# Altium PCB 400501.PcbDoc (part 3 of 4) (continued)
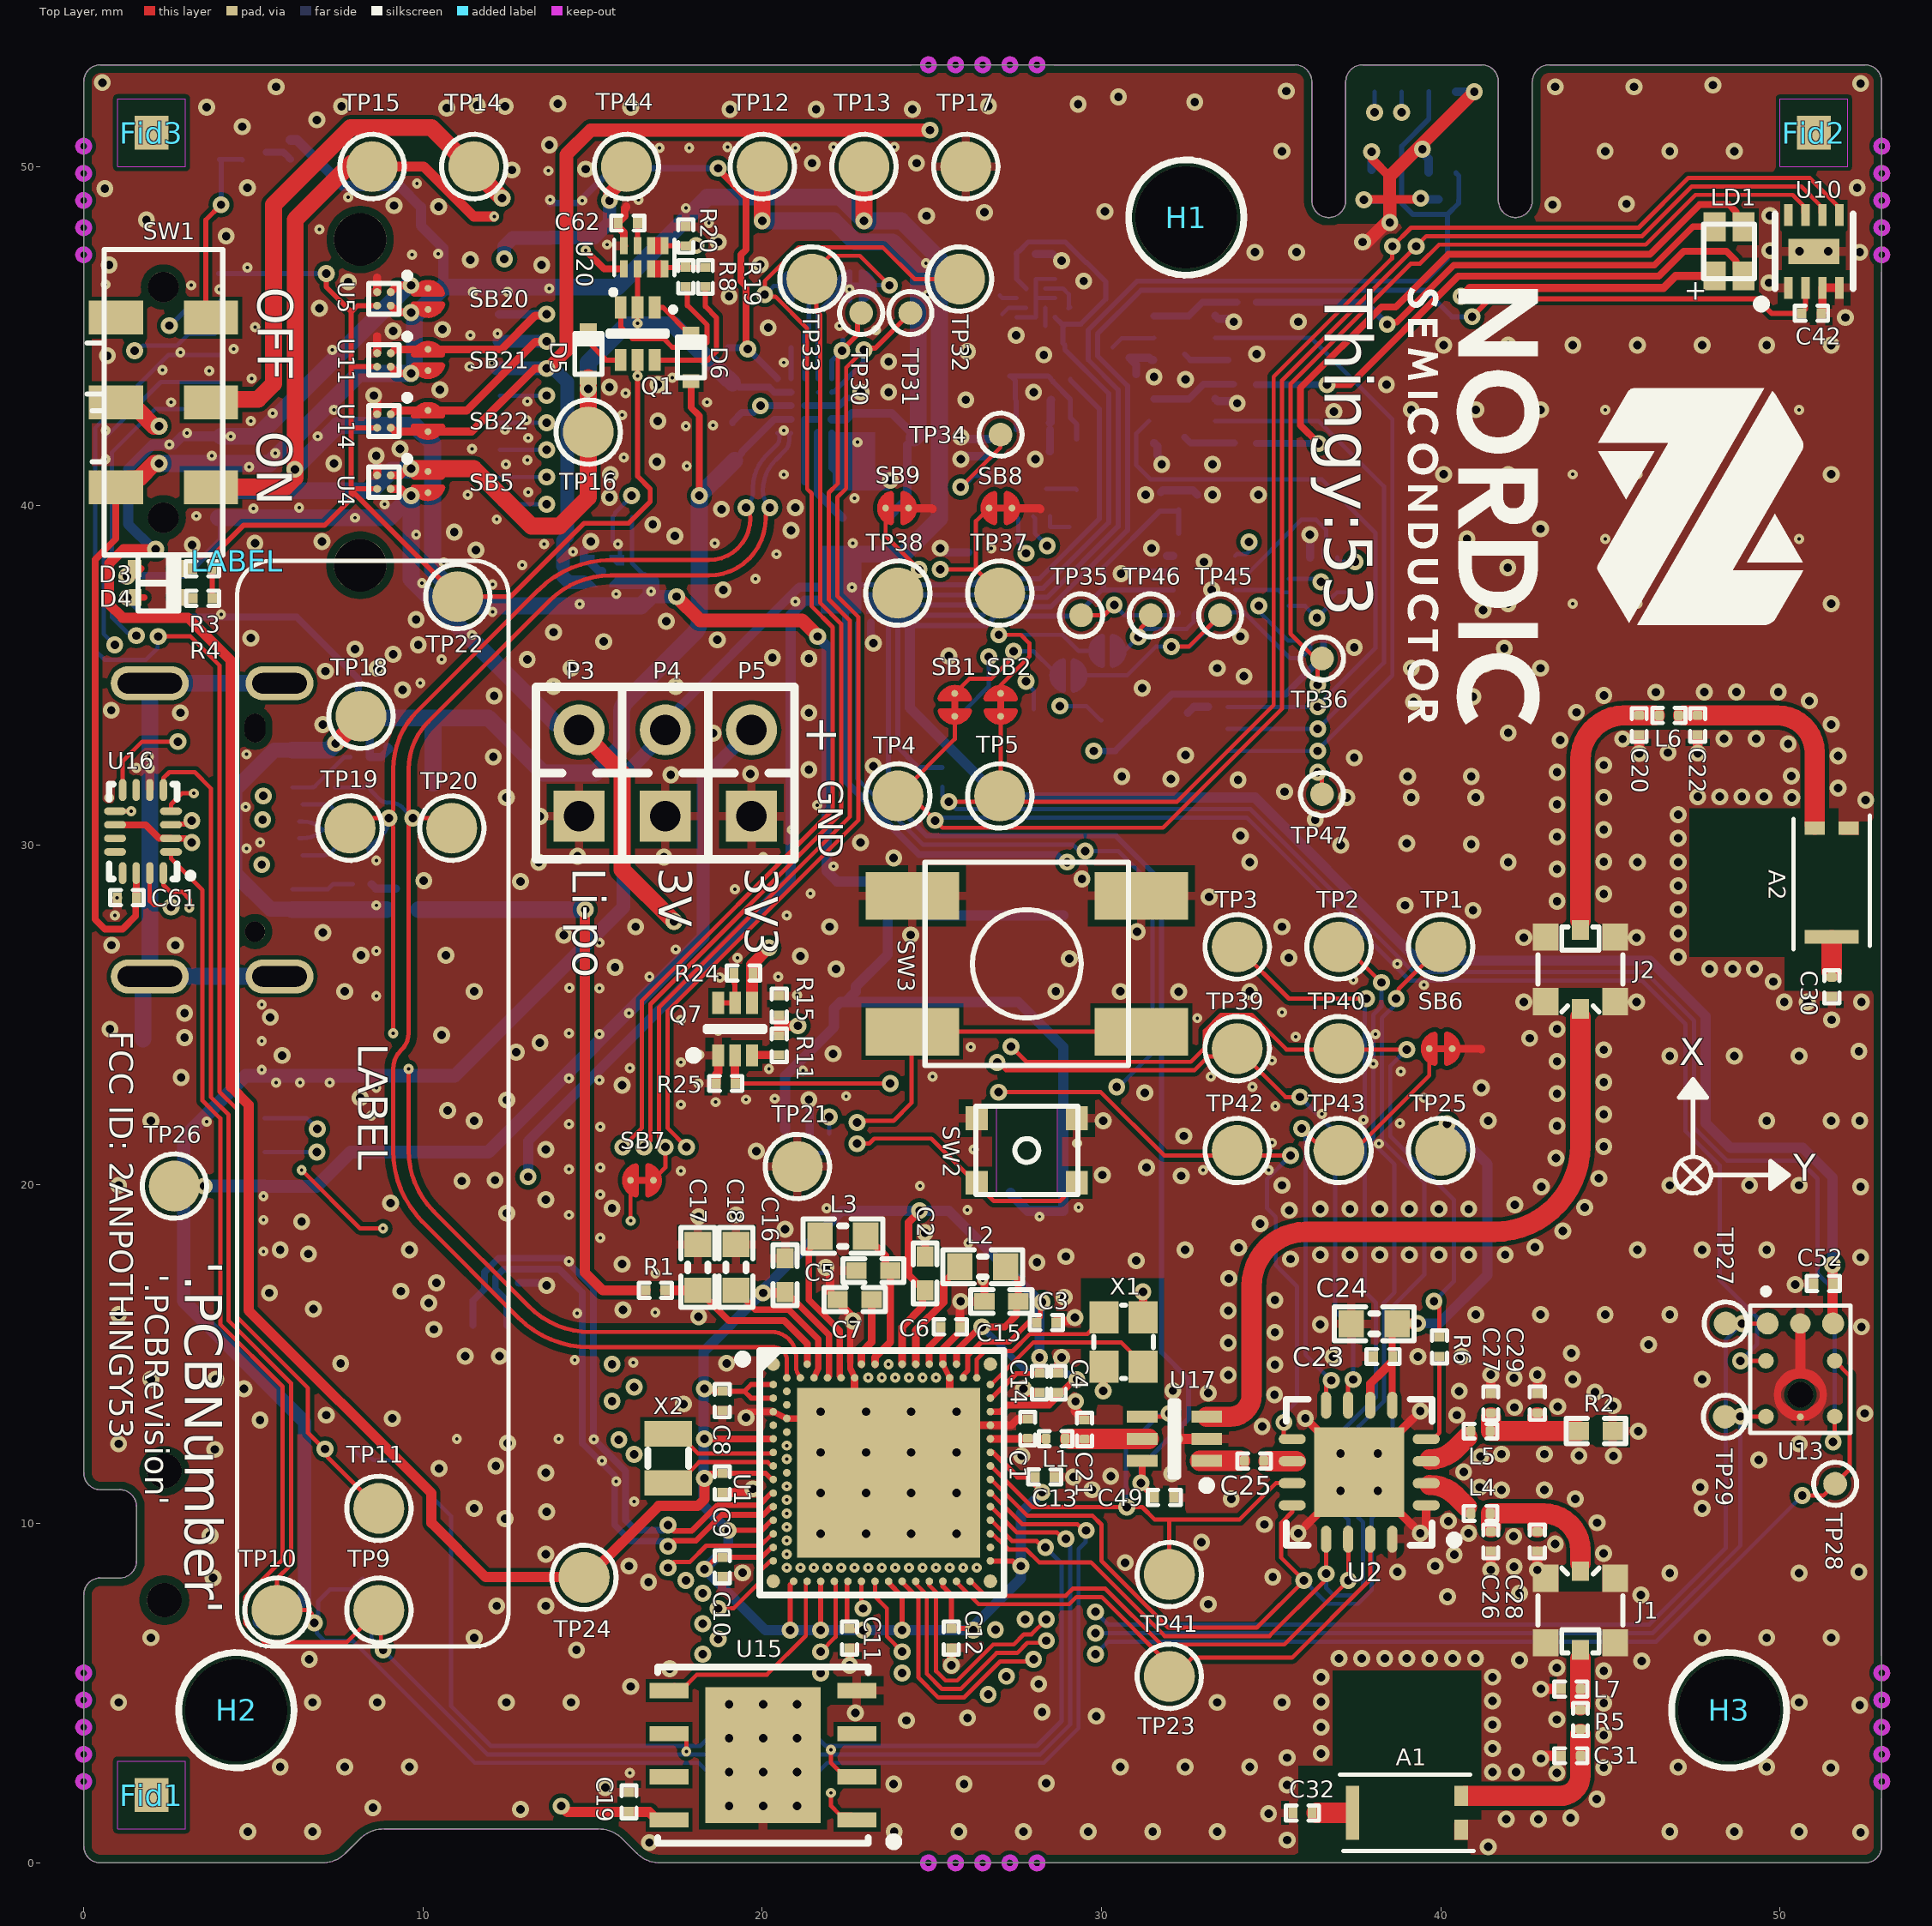
[diagram p0: Top Layer view]
## Nets (pads, with @x,y where several pads share a name; then routed paths per layer and width w, separated by ;. In a path a pad name is that pad's centre, name@x,y a point inside that pad or via, vN(x,y) a via of type N, cw(c..) or ccw(c..) an arc to the next point about the centre after c; other vN are vias at no path point) (continued)
  other v3: 1.3,28.15 9.35,28.8 3.325,29.5 1.3,30 1.3,30.925 3.875,31.575 9.625,31.925 1.3,32.75 9.65,32.925 8.435,33.097 3.925,33.5 12.4,36.4 14.4,36.4 15.675,36.4 19.975,38.3 19,45.235 20.85,45.235 22.375,45.46 22.85,45.475 20.85,45.625 23.55,47.125
ISET: TP31.1 U1.AD2 U3.D5 | length 46.4
  Top Layer w0.125: v1(17.768,21.1) 17.206,21.662 17.206,25.106 22.831,30.731 22.831,36.726 22.213,37.345 22.213,40.25 22.475,40.512 22.475,44.075 v1(23,44.6)
  Top Layer w0.15: v1(23,44.6) 23.045,44.645 23.327,44.645 TP31.1@24.366,45.684
  Mid-Layer 1 w0.125: v1(15.775,12.475) 15.775,11.881 17.002,10.654 17.147,10.654 18.451,9.35 20.052,9.35 20.602,9.9 v2(20.725,9.9)
  Mid-Layer 2 w0.125: v1(15.775,12.475) 15.793,12.493 15.793,12.912 17.262,14.382 17.262,20.594 v1(17.768,21.1)
  Bottom Layer w0.15: U3.D5@22.05,43.35 22.058,43.358 22.113,43.358 22.991,44.237 22.991,44.591 v1(23,44.6)
MISO: TP3.1 U1.AL29 U2.14 U8.7 U18.16 | length 62.3
  Top Layer w0.125: U1.AL29@26.125,8.276 26.178,8.276 26.579,7.875 28.946,7.875 29.159,8.088 30.11,8.088 31.76,6.438 35.387,6.438 v1(37.275,8.325) 37.275,9.538 U2.14@37.272,9.542 ; TP3.1@34,27 35.525,25.475 v1(37.812,25.475)
  Mid-Layer 2 w0.125: v1(28.4,38.825) 29.225,38.825 29.787,39.387 34.519,39.387 34.787,39.119 34.787,38.756 34.7,38.669 v1@34.7,37.113 ; v1(34.637,37.05) v1@34.7,37.113 ; v1(37.812,25.475) 37.812,26.131 38,26.319 38,35.906 36.769,37.138 34.898,37.138 34.882,37.122 34.709,37.122 v1@34.7,37.113
  Bottom Layer w0.125: U8.7@27.985,39.69 28.043,39.633 28.043,39.182 v1(28.4,38.825) ; v1@34.709,36.816 35.5,36.025 U18.16@35.75,36.025 ; v1(37.275,8.325) 37.275,10.12 36.609,10.786 36.609,11.568 36.609,12.248 38.084,13.723 38.084,16.516 37.763,16.837 37.763,25.425 v1(37.812,25.475)
MODE: R7.2 SB7.2 TP30.1 U3.E5 | length 30.1
  Top Layer w0.125: SB7.2@16.768,20.121 16.935,20.288 17.143,20.496 v1(17.143,21.1) 16.956,21.287 16.956,25.209 22.579,30.833 22.579,36.625 21.963,37.241 21.963,40.388 22.225,40.65 22.225,44.349 22.35,44.474 v1(22.35,44.575)
  Top Layer w0.15: v1(22.35,44.575) 22.35,44.586 22.81,45.047 22.81,45.579 TP30.1@22.916,45.684
  Bottom Layer w0.15: U3.E5@22.05,43.75 22.05,44.275 v1(22.35,44.575) 22.375,44.6 R7.2@22.375,44.89
MOSI: TP2.1 U1.AE31 U2.13 U8.6 U18.4 | length 57.4
  Top Layer w0.125: U1.AE31@26.725,9.7 26.752,9.7 26.802,9.65 26.832,9.65 26.95,9.532 26.964,9.532 27.259,9.238 27.787,9.238 28.163,8.862 29.688,8.862 31.863,6.688 34.949,6.688 v1@36.55,8.288 ; v1(36.622,8.525) U2.13@36.622,9.542 ; TP2.1@37,27 37.2,27 v1(38.25,25.95)
  Mid-Layer 2 w0.125: v3@28.925,39.375 29.04,39.375 29.303,39.637 34.622,39.637 38.25,36.01 v1(38.25,25.95)
  Bottom Layer w0.125: U8.6@28.485,39.69 28.485,39.375 v3(29.05,39.375) ; U18.4@35.525,37.85 v1@36.282,37.85 ; v1(36.622,8.525) 36.622,8.103 36.838,7.887 37.456,7.887 37.713,8.144 37.713,10.037 37.575,10.175 37.575,12.86 38.334,13.619 38.334,16.513 38.638,16.816 38.638,20.587 38.013,21.212 38.013,25 38.25,25.238 v1(38.25,25.95)
  other v1: 36.472,37.761
NetA1_3: A1.3 C32.1 | length 1
  Top Layer w0.6: 36.345,1.475 A1.3@37.3,1.475
NetA2_3: A2.3 C30.1 | length 0.9
  Top Layer w0.6: 51.525,26.27 A2.3@51.525,27.194
NetBz1_2: Bz1.2 D2.2 Q5.3 R10.1 | length 21.5
  Bottom Layer w0.3: Q5.3@20.675,21.625 20.675,23.2 22.116,24.641 22.116,25.188 D2.2@22.3,25.372 D2.2@22.452,25.372 ; R10.1@23.7,28.165 23.7,26.772 22.76,25.832 22.76,25.679 D2.2@22.452,25.372 ; Bz1.2@27.325,19.75 27.325,19.725 27.825,19.225 Bz1.2@28.875,19.225 28.875,24.05 27.553,25.372 D2.2@22.452,25.372
NetC3_2: C3.2 C4.1 L2.1 U1.A27 U1.G31 | length 10.4
  Top Layer w0.2: U1.A27@25.725,14.7 25.725,15.093 26.433,15.8 27.15,15.8 27.5,16.15 C3.2@27.5,16.55 ; U1.G31@26.725,13.3 27.025,13.3 27.225,13.5 28.461,13.5 29.194,14.233 v1@29.194,14.25 ; L2.1@27.175,17.575 27.175,17.55 27.55,17.175 C3.2@27.55,16.55
  Bottom Layer w0.2: v1(26.475,15.8) 27.811,14.465 27.94,14.465 27.979,14.425 29.008,14.425 v1@29.208,14.225
  other v1: 29.275,14.25
NetC5_2: C5.2 L3.1 U1.A15 | length 4.3
  Top Layer w0.225: L3.1@23.05,18.475 23.05,18.45 23.313,18.188 23.338,18.188 23.634,17.892 23.634,17.593 23.772,17.455 C5.2@23.775,17.455 ; U1.A15@23.325,14.7 23.325,14.9 23.775,15.35 C5.2@23.775,17.455 ; C5.2@23.775,17.475 C5.2@23.775,17.455
NetC6_1: C6.1 U1.A23 | length 1.2
  Top Layer w0.2: U1.A23@24.925,14.7 24.925,15.212 25.259,15.546 C6.1@25.259,15.8
NetC7_2: C7.2 U1.A13 | length 2
  Top Layer w0.225: U1.A13@22.925,14.7 22.925,15.05 23.225,15.35 C7.2@23.225,16.605
NetC17_1: C17.1 R1.2 U1.A5 | length 5.2
  Top Layer w0.165: C17.1@18.095,16.875 C17.1@18.1,16.88
  Top Layer w0.2: C17.1@18.275,16.73 18.4,16.605 18.4,16.6 19.012,15.988 20.651,15.988 21.333,15.306 U1.A5@21.333,14.7
  Top Layer w0.3: R1.2@17.135,16.875 C17.1@18.095,16.875
NetC18_1: C18.1 U1.B6 | length 4.2
  Top Layer w0.187: C18.1@19.255,16.875 19.532,16.599 19.532,16.569 19.794,16.307 20.782,16.307 21.656,15.433 21.656,14.574 ; C18.1@19.525,16.875 C18.1@19.525,16.88 ; U1.B6@21.525,14.3 21.656,14.57
NetC33_2: C33.2 C38.2 C39.2 R18.2 U8.1 U8.14 | length 4.9
  Bottom Layer w0.15: C33.2@27.3,43.832 C33.2@27.325,43.832 ; C38.2@27.46,43.15 27.46,43.697 C33.2@27.325,43.832 ; U8.14@27.485,42.24 C38.2@27.485,43.085 ; U8.1@29.273,41.965 29.273,42.402 29.085,42.59 C39.2@29.085,43.125 29.085,43.14 28.575,43.65 28.575,43.665 R18.2@28.515,43.725 28.515,43.74 28.423,43.832 C33.2@27.325,43.832
NetC48_2: C48.2 U3.A3 U3.B3 U3.B4 | length 2.2
  Bottom Layer w0.2: C48.2@21.25,40.7 U3.A3@21.25,42.15 U3.B3@21.25,42.55 U3.B4@21.65,42.55
NetC59_1: C59.1 J6.13 R9.1 | length 18.3
  Bottom Layer w0.5: R9.1@1.75,24.285 J6.13@1.75,26.33 ; J6.13@5.775,26.13 J6.13@1.95,26.13 J6.13@1.95,29.05 J6.13@1.95,31.85 J6.13@1.95,34.77 J6.13@5.775,34.77
NetC62_1: C62.1 U20.7 | length 0.6
  Top Layer w0.15: U20.7@16.325,47.665 C62.1@16.325,48.237
NetD3_3: D3.3 R3.2 | length 0.6
  Top Layer w0.2: 2.624,38.15 R3.2@3.244,38.15
NetD4_3: D4.3 R4.2 | length 0.6
  Top Layer w0.2: 2.624,37.3 R4.2@3.219,37.3
NetD5_3: D5.3 Q1.4 | length 1.5
  Top Layer w0.152: D5.3@14.875,45.175 14.875,44.825 15.4,44.3 Q1.4@15.829,44.3
NetD6_3: D6.3 Q1.1 | length 1.2
  Top Layer w0.15: 17.004,45.85 17.075,45.85 17.85,45.075 D6.3@17.9,45.075
NetJ6_3: J6.3 R27.2 | length 1.9
  Bottom Layer w0.125: J6.3@6.15,28.7 7.2,28.7 7.35,28.85 R27.2@7.94,28.85
NetJ6_9: J6.9 R16.2 | length 2.1
  Bottom Layer w0.125: J6.9@6.15,31.7 6.729,31.7 ccw(c6.729,31.825) 6.818,31.737 7.559,32.478 7.671,32.589 7.854,32.589 R16.2@7.865,32.6
NetL2_2: L2.2 U1.A21 | length 3.4
  Top Layer w0.225: U1.A21@24.525,14.7 24.525,15.7 25.35,16.525 25.35,17.1 L2.2@25.825,17.575
NetL3_2: L3.2 U1.B10 | length 4.8
  Top Layer w0.187: L3.2@21.825,18.525 21.375,18.075 21.375,16.596 22.282,15.689 22.282,14.343 U1.B10@22.325,14.3
NetL11_2: L11.2 U3.A4 | length 2.8
  Bottom Layer w0.25: U3.A4@21.65,42.15 21.65,40.361 22.361,39.65 L11.2@22.375,39.65
NetLD1_1: LD1.1 R12.2 | length 15
  Top Layer w0.191: v1(38.425,45.35) 38.484,45.409 38.704,45.409 40.384,47.089 46.294,47.089 47.43,48.225 LD1.1@48.075,48.225
  Bottom Layer w0.191: R12.2@34.56,46 37.775,46 v1(38.425,45.35)
NetLD1_2: LD1.2 R13.2 | length 19.4
  Top Layer w0.203: v1(36.4,41.838) 35.864,42.374 35.864,43.477 38.25,45.863 38.675,45.863 40.223,47.411 46.161,47.411 47.627,48.877 48.494,48.877 48.702,48.669 48.702,48.448 LD1.2@48.925,48.225
  Bottom Layer w0.203: R13.2@34.56,41.838 v1(36.4,41.838)
NetLD1_3: LD1.3 R14.2 | length 16.4
  Top Layer w0.203: v1(36.65,43.575) 37.325,43.575 40.517,46.767 46.428,46.767 47.16,47.5 48.42,47.5 48.702,47.219 48.702,46.998 LD1.3@48.925,46.775
  Bottom Layer w0.203: R14.2@34.56,43.575 v1(36.65,43.575)
NetQ1_3: Q1.3 R8.2 | length 5.3
  Top Layer w0.152: Q1.3@15.829,45.85 15.829,45.271 16.175,44.925 17.1,44.925 17.351,44.674 18.233,44.674 18.373,44.814 18.373,45.336 17.809,45.9 17.789,45.9 17.789,46.426 R8.2@17.75,46.465
NetQ1_6: Q1.6 R19.2 | length 4
  Top Layer w0.152: Q1.6@16.829,44.3 18.4,44.3 18.65,44.55 18.65,45.55 18.325,45.875 R19.2@18.325,46.459
NetQ3_3: Q3.3 R12.1 | length 2.6
  Bottom Layer w0.203: Q3.3@31.545,45.6 32.575,45.6 32.977,46.002 33.988,46.002 R12.1@33.99,46
NetQ3_6: Q3.6 R26.1 U6.3 | length 49.1
  Mid-Layer 2 w0.125: v1(16.15,40.3) 16.15,35.293 18.1,33.343 18.1,29.907 18.947,29.06 18.99,29.06 19,29.05 22.546,29.05 25.7,32.204 25.7,34.25 25.7,34.75 25.062,35.388 25.062,35.756 25.225,35.919 25.225,35.925 25.7,36.4 25.7,39.728 25.162,40.265 25.162,45.695 26.93,47.462 27.537,47.462 27.85,47.775 28.939,47.775 29.651,47.062 30.093,47.062 31.468,45.688 32.555,45.688 33.569,44.675 33.569,44.356
  Bottom Layer w0.125: U6.3@15.81,38.4 15.81,38.74 15.59,38.96 R26.1@15.59,39.675 15.663,39.747 15.663,39.794 16.15,40.281 v1(16.15,40.3)
  Bottom Layer w0.15: Q3.6@32.45,44.475 Q3.6@32.625,44.3
  Bottom Layer w0.2: Q3.6@32.625,44.3 33.355,44.3 v3(33.725,44.3)
NetQ4_3: Q4.3 R14.1 | length 2.5
  Bottom Layer w0.203: Q4.3@31.545,43.15 32.575,43.15 33.012,43.587 R14.1@33.887,43.587
NetQ4_6: Q4.6 R13.1 | length 1.5
  Bottom Layer w0.2: Q4.6@32.45,42.025 Q4.6@32.6,41.875
  Bottom Layer w0.203: Q4.6@32.6,41.875 32.625,41.85 33.355,41.85 R13.1@33.915,41.85
NetQ5_1: Q5.1 R21.2 R29.2 | length 1.1
  Bottom Layer w0.125: Q5.1@20.9,20.925 21.965,20.925 R21.2@21.975,20.915
NetQ7_3: Q7.3 R11.2 | length 0.8
  Top Layer w0.25: Q7.3@19.7,23.8 19.715,23.815 R11.2@20.5,23.815
NetQ7_5: Q7.5 Q7.6 R24.2 | length 1.4
  Top Layer w0.15: Q7.6@18.7,25.35 Q7.5@19.2,25.35 19.2,25.9 19.165,25.935 R24.2@19.165,26.225
NetQ8_1: Q8.1 R48.1 SW1.4 | length 5.7
  Top Layer w0.15: SW1.4@3.875,45.55 3.6,45.825 3.6,48.425 v1(4.05,48.875)
  Bottom Layer w0.15: v1(4.05,48.875) 4.05,50.165 R48.1@4,50.215 4.66,50.215 Q8.1@4.675,50.2
NetQ8_3: Q8.3 R47.2 | length 0.8
  Bottom Layer w0.2: Q8.3@5.375,50.425 5.89,50.425 6.05,50.265 6.05,50.25 6.085,50.215 R47.2@6.1,50.215
NetR6_2: R6.2 U2.4 | length 2.7
  Top Layer w0.125: U2.4@39.572,12.492 39.774,12.492 39.962,12.68 R6.2@39.962,14.925
NetR8_1: R8.1 R19.1 U20.3 U20.4 | length 1.3
  Top Layer w0.152: 17,47.05 17.021,47.029 R19.1@18.325,47.029
NetR20_2: R20.2 U16.2 U16.10 U20.5 U20.6 | length 33.9
  Top Layer w0.152: 16.928,47.694 16.956,47.665 R20.2@17.75,47.665 17.755,47.67 18.045,47.67 v1(18.05,47.675)
  Top Layer w0.2: U16.10@0.925,30.6 0.929,30.596 1.829,30.596 2.221,30.204 2.571,30.204 2.579,30.196 2.988,30.196 3.106,30.078 v1(3.188,30.078)
  Mid-Layer 2 w0.2: v1@3.062,30.078 3.12,30.02 3.38,30.02 3.425,29.975 9.975,29.975 10.337,30.337 10.337,36.801 13.175,39.639 13.175,45.847 13.597,46.269 17.437,46.269 18.05,46.882 v1(18.05,47.675)
NetR22_1: R22.1 R23.1 ST4.1 ST5.1 ST6.1 ST7.1 ST8.1 ST9.1 U19.A1 | length 5.3
  Bottom Layer w0.15: 24.001,36.6 24.001,36.501 24,32.885 24.525,32.36 24.525,32.345 24.585,32.285 R23.1@24.6,32.285 R22.1@25.3,32.285
NetR31_2: R31.2 U3.E2 | length 0.9
  Bottom Layer w0.15: U3.E2@20.85,43.75 R31.2@20.85,44.665
NetSB1_1: SB1.1 SB3.2 U12.B4 | length 14.7
  Top Layer w0.125: SB1.1@25.675,34.472 26.104,34.9 26.75,34.9 27.341,35.491 27.341,35.641 v1(27.413,35.712)
  Mid-Layer 2 w0.125: v3(26.975,45.55) 26.975,45.503 27.05,45.428 27.05,36.744 27.413,36.381 v1(27.413,35.712)
  Bottom Layer w0.125: v3@27.075,45.65 27.264,45.839 U12.B4@27.782,45.839 ; v1(27.413,35.712) 28,35.712 28.564,35.149 SB3.2@28.713,35
NetSB2_1: SB2.1 SB4.2 U12.A3 | length 16.7
  Top Layer w0.125: v1(26.975,36.2) 27.625,36.2 27.875,35.95 27.875,35.556 27.028,34.71 SB2.1@27.028,34.472
  Mid-Layer 2 w0.125: v3@26.927,46.123 26.589,45.786 26.589,45.783 26.537,45.731 26.537,45.369 26.8,45.106 26.8,36.461 26.975,36.286 v1(26.975,36.2)
  Bottom Layer w0.125: v1(26.975,36.2) 28.85,36.2 29.325,35.725 29.688,35.725 SB4.2@29.863,35.725 ; v3(27,46.2) 27.075,46.125 27.496,46.125 U12.A3@27.499,46.122
NetSB6_1: SB6.1 TP43.1 U2.8 | length 14
  Top Layer w0.125: v1(35.9,21.65) 36.287,21.263 37.713,21.263 39.662,23.212 SB6.1@39.662,24 ; U2.8@36.622,13.492 v1@36.622,14.222
  Bottom Layer w0.125: v1(35.9,21.65) 36.013,21.538 36.013,17.505 ; 36.012,17.505 36.012,14.981 v1(36.772,14.222)
NetSB7_1: SB7.1 U16.9 | length 32.9
  Top Layer w0.125: U16.9@0.925,31 v2(1.4,31) ; v2(6.425,20.425) 8.15,18.7 v2(8.825,18.7) ; SB7.1@16.118,20.121 16.118,18.932 v2(16.125,18.925)
  Mid-Layer 1 w0.125: v2(1.4,31) 1.85,31 2.425,30.425 2.425,28.644 2.137,28.356 2.137,27.994 2.394,27.737 2.813,27.737 3.2,27.35 3.2,26.305 3.537,25.968 3.537,22.623 5.736,20.425 v2(6.425,20.425) ; v2(8.825,18.7) 8.825,16.349 10.924,14.25 14.546,14.25 14.986,14.689 14.986,17.461 16.125,18.6 v2(16.125,18.925)
NetSB8_1: SB8.1 TP37.1 U3.D4 | length 10.7
  Top Layer w0.125: v1(25.25,38.125) 26.302,38.125 ; SB8.1@26.687,39.936 26.302,39.551 26.302,38.125 ; TP37.1@27,37.428 26.302,38.125
  Mid-Layer 2 w0.125: v3(21.65,43.35) 22.579,42.421 22.579,40.796 v1(25.25,38.125)
NetSB9_1: SB9.1 TP38.1 U3.D3 | length 9.8
  Top Layer w0.125: SB9.1@23.637,39.936 23.637,39.113 v1(24.625,38.125) 24.625,38.089 24,37.464 TP38.1@24,37.428
  Mid-Layer 2 w0.125: v3(21.25,43.35) 21.25,43.225 22.329,42.146 22.329,40.692 24.576,38.445 24.576,38.174 v1(24.625,38.125)
NetU7_9: U7.9
NetU8_9: U8.9
NTC: J3.2 R30.2 U3.E1 | length 13
  Top Layer w0.2: v1(18.7,49.95) 18.7,49.921 19.525,49.096 19.525,47.55 19.375,47.4 19.375,46.625 19.525,46.475 19.525,44.675 v1(19.575,44.625)
  Bottom Layer w0.2: J3.2@13.75,48.908 13.767,48.925 14.57,48.925 15.595,49.95 v1(18.7,49.95) ; R30.2@19,44.665 19.535,44.665 cw(c19.535,44.625) v1(19.575,44.625) 19.888,44.313 U3.E1@20.45,43.75
P0.00/XL1: U1.N1 X2.1 | length 3.4
  Top Layer w0.125: X2.1@17.225,12.65 17.525,12.65 18.113,12.063 20.264,12.063 20.301,12.1 U1.N1@20.325,12.1
P0.01/XL2: U1.R1 X2.2 | length 3.4
  Top Layer w0.125: X2.2@17.225,11.2 17.525,11.2 18.138,11.813 20.167,11.813 U1.R1@20.279,11.7
P0.02/NFC1: C57.2 J5.4 U1.W1 | length 17.8
  Top Layer w0.165: v1(17.225,9.958) 17.393,9.79 17.93,9.79 18.69,10.55 19.913,10.55 20.263,10.9 U1.W1@20.325,10.9
  Bottom Layer w0.2: J5.4@11.475,15.85 11.475,16.575 11.812,16.912 11.812,17.412 12.225,17.825 14.149,17.825 15.025,16.949 15.025,12.5 15.975,11.55 15.975,10.1 16.267,9.808 17.075,9.808 v1(17.225,9.958)
P0.03/NFC2: C56.1 J5.2 U1.AA1 | length 17.2
  Top Layer w0.165: v1(17.225,9.333) 17.393,9.5 18.05,9.5 18.81,10.26 20.033,10.26 20.273,10.5 U1.AA1@20.325,10.5
  Bottom Layer w0.2: J5.2@12.475,15.85 12.475,16.575 12.137,16.913 12.137,17.262 12.375,17.5 14.014,17.5 14.7,16.814 14.7,12.365 15.65,11.415 15.65,9.965 16.132,9.483 17.075,9.483 v1(17.225,9.333)
P0.06/AIN2: R11.1 R15.2 U1.AB2 | length 21.1
  Top Layer w0.3: R11.1@20.5,24.425 20.5,24.675 ; R15.2@20.5,24.9 20.5,24.675 ; v1(21.05,24.675) 20.5,24.675
  Mid-Layer 1 w0.125: v1(16.229,12.046) 16.229,11.974 17.878,10.325 19.1,10.325 19.375,10.05 20.398,10.05 20.648,10.3 v2(20.725,10.3)
  Mid-Layer 2 w0.3: v1(16.229,12.046) 16.267,12.084 16.267,12.225 16.3,12.258 16.3,12.942 17.6,14.242 17.6,20.05 21.05,23.5 v1@21.05,24.65
P0.08/TRACEDATA3: P9.15 U1.AH2 U16.8 | length 79.7
  Top Layer w0.125: U16.8@1.15,31.625 1.15,32.475 1.725,33.05 v1(2.776,33.05)
  Mid-Layer 1 w0.125: v1(5.296,31.45) 5.95,30.796 5.95,29.153 5.511,28.713 5.145,28.713 4.45,28.018 4.45,26.918 4.787,26.581 4.787,23.141 5.354,22.575 7.276,22.575 8.487,21.363 8.487,16.333 9.097,15.724 10.846,13.975 14.888,13.975 15.575,14.662 v1(15.575,14.7) ; v1(18.25,7.95) 19.475,7.95 20.625,9.1 v2(20.725,9.1)
  Mid-Layer 2 w0.125: v1(2.776,33.05) 3.696,33.05 v1(5.296,31.45) ; v1@13.681,43.187 13.713,43.187 14.838,42.062 14.838,39.48 11.625,36.268 11.625,28.837 14.937,25.525 15.091,25.372 15.091,15.184 v1(15.575,14.7) 15.098,14.223 15.098,8.402 15.95,7.55 17.778,7.55 18.178,7.95 v1(18.25,7.95)
  Bottom Layer w0.125: P9.15@12.275,43.25 v1(13.65,43.25)
P0.09/TRACEDATA2: P9.16 U1.AJ1 | length 45.5
  Top Layer w0.125: v1(18.7,7.5) 19.152,7.5 19.925,8.273 19.925,8.582 20.244,8.9 U1.AJ1@20.325,8.9
  Mid-Layer 2 w0.125: v1@13.675,42.45 14.588,41.537 14.588,39.584 11.375,36.371 11.375,28.734 14.804,25.305 cw(c14.716,25.217) 14.841,25.217 14.841,8.306 15.846,7.3 17.881,7.3 18.069,7.488 18.688,7.488 v1(18.7,7.5)
  Bottom Layer w0.125: P9.16@12.25,42.45 v1(13.65,42.45) v1@13.7,42.45
P0.10/TRACEDATA1: P9.17 U1.AK2 | length 45.2
  Mid-Layer 1 w0.125: v1(18.25,7.05) 19.075,7.05 v2(20.725,8.7)
  Mid-Layer 2 w0.125: v1(13.65,41.65) 14.338,40.962 14.338,39.688 11.125,36.475 11.125,28.63 14.554,25.201 cw(c14.466,25.113) 14.591,25.113 14.591,8.202 15.743,7.05 v1(18.25,7.05)
  Bottom Layer w0.125: P9.17@12.275,41.65 v1(13.65,41.65) v1@13.675,41.65
P0.11/TRACEDATA0: P9.18 U1.AK4 | length 45.4
  Mid-Layer 1 w0.125: v1(18.7,6.6) 19.149,6.6 21.125,8.577 v2(21.125,8.7)
  Mid-Layer 2 w0.125: v1(13.65,40.85) 14.088,40.412 14.088,39.791 10.875,36.579 10.875,28.527 14.304,25.098 cw(c14.216,25.009) 14.341,25.009 14.341,8.099 15.639,6.8 17.881,6.8 18.069,6.612 18.688,6.612 v1(18.7,6.6)
  Bottom Layer w0.125: P9.18@12.275,40.85 v1(13.65,40.85)
P0.12/TRACECLK: P9.19 U1.AK6 | length 45.4
  Mid-Layer 1 w0.125: v1(18.25,6.15) 19.052,6.15 21.525,8.623 v2(21.525,8.7)
  Mid-Layer 2 w0.125: v1@13.675,40.05 13.65,40.025 13.65,39.707 10.625,36.682 10.625,28.423 14.054,24.994 cw(c13.966,24.906) 14.091,24.906 14.091,7.995 15.536,6.55 17.778,6.55 18.178,6.15 v1(18.25,6.15)
  Bottom Layer w0.125: P9.19@12.275,40.05 v1(13.65,40.05) v1@13.675,40.05
P0.13/QSPI0: U1.AL5 U15.5 | length 6.5
  Top Layer w0.125: U15.5@17.418,5.243 U15.5@17.255,5.08 17.605,5.08 18.075,5.55 20.14,5.55 21.287,6.697 U1.AL5@21.287,8.263
P0.14/QSPI1: U1.AK8 U15.2 | length 7.3
  Top Layer w0.125: v2(22.025,3.335) 22.025,2.953 22.276,2.703 22.633,2.703 U15.2@22.795,2.54
  Mid-Layer 1 w0.125: v2(21.925,8.7) 21.925,7.825 21.287,7.187 21.287,5.313 22.025,4.575 v2(22.025,3.335)
P0.15/QSPI2: Q3.2 R28.2 U1.AK10 | length 54.5
  Mid-Layer 1 w0.125: v1(21.725,5.6) 22.475,6.35 22.475,8.473 22.388,8.561 22.388,8.638 v2(22.325,8.7)
  Mid-Layer 2 w0.125: v1@21.7,5.6 21.287,6.013 21.287,8.812 20.775,9.325 20.775,13.676 21.725,14.626 21.725,16.351 22.563,17.189 22.563,17.771 22.95,18.158 22.95,19.924 23.738,20.712 23.738,22.362 23.337,22.763 23.337,23.162 23.988,23.813 23.988,25.466 25.95,27.429 25.95,39.831 25.503,40.278 25.412,40.369 25.412,45.591 26.709,46.888 27.305,46.888 27.868,46.325 29.144,46.325 29.462,46.006 29.462,45.545 v3(30.333,44.675)
  Bottom Layer w0.125: v3(30.333,44.675) 30.6,44.942 31.542,44.942 Q3.2@31.55,44.95
P0.16/QSPI3: Q7.2 R25.2 U1.AL9 | length 26.4
  Top Layer w0.125: R25.2@19.2,23.005 19.23,22.975 v1(23.775,22.975) ; v1(21.725,6.225) 22.163,6.663 22.163,8.263 U1.AL9@22.125,8.3
  Top Layer w0.25: R25.2@19.2,23.005 Q7.2@19.2,23.8
  Mid-Layer 2 w0.125: v1(21.725,6.225) 22.163,6.663 22.163,8.291 21.025,9.428 21.025,13.572 21.988,14.535 21.988,16.26 22.813,17.085 22.813,17.667 23.2,18.055 23.2,19.821 23.988,20.608 23.988,22.787 v1@23.775,23
P0.17/QSPI_CLK: U1.AK12 U15.6 | length 12.1
  Top Layer w0.125: U15.6@17.255,3.81 17.605,3.81 17.768,3.648 17.768,3.29 v2(17.762,3.285)
  Mid-Layer 1 w0.125: v2(17.762,3.285) 17.796,3.252 17.909,3.252 17.961,3.2 21.393,3.2 21.643,2.95 22.25,2.95 23.425,4.126 23.425,7.923 22.788,8.561 22.788,8.638 v2(22.725,8.7)
P0.18/QSPI_CS: U1.AK14 U15.1 | length 8.9
  Top Layer w0.125: v2(22.025,2.065) 22.025,1.683 22.276,1.433 22.633,1.433 U15.1@22.795,1.27
  Mid-Layer 1 w0.125: v2(22.025,2.065) 22.025,2.372 23.675,4.022 23.675,8.073 23.188,8.561 23.188,8.638 v2(23.125,8.7)
P0.19: TP34.1 U1.AL13 U8.11 | length 39.5
  Top Layer w0.125: U1.AL13@22.925,8.3 22.925,7.55 v1(22.975,7.5) ; v1(25.85,40.55) 27.025,41.725 TP34.1@27.025,42.1
  Mid-Layer 2 w0.125: v1(22.975,7.5) 22.975,7.832 21.288,9.519 21.288,13.482 22.238,14.432 22.238,16.157 23.063,16.982 23.063,17.564 23.45,17.951 23.45,19.717 24.238,20.505 24.238,25.363 26.2,27.325 26.2,40.2 v1(25.85,40.55)
  Bottom Layer w0.125: v1@26.048,40.693 26.233,40.878 26.61,40.878 U8.11@26.698,40.965
P0.20: TP8.1 U1.AK16 U12.D2 | length 53.4
  Mid-Layer 1 w0.125: v2(23.525,8.7) 23.588,8.638 23.588,8.561 24.625,7.523 24.625,6.1 v1(24.125,5.6)
  Mid-Layer 2 w0.125: v1(24.125,5.6) 23.675,6.05 23.675,7.742 22.275,9.143 22.275,14.115 23.313,15.153 23.313,17.46 23.7,17.848 23.7,19.614 24.488,20.401 24.488,25.259 26.549,27.321 26.549,35.323 26.603,35.377 26.603,35.496 26.549,35.55 26.603,35.604 26.603,35.723 26.549,35.777 26.549,36.007 26.537,36.019 26.537,36.381 26.549,36.393 26.549,45.003 26.287,45.265 26.287,46.112 26.813,46.638 27.202,46.638 27.989,45.85 v3@29.075,45.85
  Bottom Layer w0.125: TP8.1@26,34 26.675,34.675 v1(26.675,35.55) ; U12.D2@28.348,46.405 28.87,46.405 29.037,46.238 29.037,45.837 v3(29.025,45.825) ; v3@29.066,45.859 v3@29.075,45.85
P0.21: U1.AL15 U12.D4 | length 45.9
  Top Layer w0.125: U1.AL15@23.325,8.3 23.325,7.85 23.675,7.5 23.675,6.675 v1(24.125,6.225)
  Mid-Layer 2 w0.125: v1(24.125,6.225) 24.6,6.7 24.6,7.171 22.525,9.246 22.525,14.012 23.563,15.05 23.563,17.356 23.95,17.744 23.95,19.51 24.738,20.298 24.738,25.156 26.799,27.217 26.799,34.481 27.85,35.531 27.85,36.297 27.3,36.847 27.3,44.219 28.345,45.263 v3(28.345,45.307)
  Bottom Layer w0.125: v3(28.345,45.307) 28.347,45.309 U12.D4@28.348,45.839
P0.22: TP6.1 U1.AK18 U8.8 | length 44.5
  Mid-Layer 1 w0.125: v2@23.888,8.663 v2(23.925,8.7) 23.925,8.623 25.538,7.011 25.538,6.576 26.625,5.489 26.625,5 v1(26.66,4.965) v1@26.625,4.93
  Mid-Layer 2 w0.125: v1(26.66,4.965) 25.813,4.965 25.125,5.653 25.125,7.921 23.6,9.446 23.6,14.733 23.813,14.946 23.813,17.253 24.2,17.64 24.2,19.407 24.988,20.194 24.988,25.052 27.049,27.114 27.049,34.099 28.1,35.15 28.1,38.275 v1(27.775,38.6)
  Bottom Layer w0.125: U8.8@27.485,39.69 27.55,39.625 27.55,38.965 27.563,38.953 27.563,38.913 v1@27.875,38.6 ; v1(27.775,34.825) 27.775,34.789 28,34.564 TP6.1@28,34
P0.23: TP35.1 U1.AK20 U7.4 | length 44.1
  Top Layer w0.125: TP35.1@29.4,36.775 30.075,36.775 v1(30.375,37.075)
  Mid-Layer 1 w0.125: v2(24.325,8.7) 24.325,8.623 25.788,7.161 25.788,6.679 26.967,5.5 v1(27.2,5.5)
  Mid-Layer 2 w0.125: v1(27.2,5.5) 26.591,5.5 25.538,6.553 25.538,7.862 23.85,9.55 23.85,14.63 24.063,14.842 24.063,17.149 25.238,18.324 25.238,24.949 27.299,27.01 27.299,33.731 28.35,34.781 28.35,35.75 29.675,37.075 v1(30.375,37.075)
  Bottom Layer w0.125: v1(30.375,37.075) 30.675,36.775 32.213,36.775 32.275,36.837 U7.4@32.275,36.862
P0.24: TP23.1 U1.AL27 U2.15 | length 15.6
  Top Layer w0.125: U1.AL27@25.725,8.276 26.377,7.625 29.05,7.625 29.263,7.838 30.006,7.838 31.956,5.888 32.51,5.888 32.672,6.05 35.619,6.05 37.925,8.356 37.925,9.538 U2.15@37.922,9.542
  Top Layer w0.15: U1.AL27@25.725,8.258 U1.AL27@25.725,8.276
P0.25/AIN4: TP29.1 U1.AK28 U13.3 | length 29.5
  Top Layer w0.125: TP29.1@48.125,13.15 TP29.1@48.13,13.155 ; v1@48.83,13.155 v1(48.835,13.16) U13.3@49.585,13.16
  Mid-Layer 1 w0.125: v2(25.925,8.7) 25.925,8.577 26.44,8.062 28.666,8.062 28.813,7.916 29.388,7.341 29.388,7.213 v1(29.825,6.775)
  Bottom Layer w0.125: v1(29.825,6.775) 46.252,6.775 48.835,9.358 v1(48.835,13.16)
P0.27/AIN6: TP27.1 U1.AK30 U13.1 | length 31.4
  Top Layer w0.125: v1(48.885,15.9) U13.1@49.635,15.9
  Mid-Layer 1 w0.125: v2(26.325,8.7) 26.325,8.53 26.543,8.312 28.913,8.312 v1(29.825,7.4)
  Bottom Layer w0.125: v1(29.825,7.4) 30.2,7.025 46.148,7.025 48.398,9.274 48.398,15.413 v1(48.885,15.9)
P0.29: TP1.1 U1.U31 U2.12 U8.4 U18.8 | length 63.1
  Top Layer w0.125: U1.U31@26.725,11.3 26.75,11.3 27.812,10.238 29.731,10.238 30,9.969 30,8.904 31.967,6.938 34.581,6.938 v1(35.968,8.325) 35.3,8.993 35.3,10.025 35.625,10.35 35.625,10.538 U2.12@35.622,10.542 ; v1(38.687,25.475) 38.759,25.547 38.759,25.759 TP1.1@40,27
  Mid-Layer 2 w0.125: v3(28.375,40.5) 29.486,40.5 30.098,39.887 34.726,39.887 36.263,38.35 v1(37.475,38.35) 38.5,37.325 38.5,26.319 38.687,26.131 v1(38.687,25.475)
  Bottom Layer w0.125: v3(28.375,40.5) 29.238,40.5 U8.4@29.273,40.465 ; v1(35.968,8.325) 36.656,7.637 37.56,7.637 37.963,8.04 37.963,10.164 38.456,10.657 38.584,10.786 38.584,16.409 39.513,17.338 39.513,20.066 38.263,21.316 38.263,24.897 38.687,25.322 v1(38.687,25.475) ; U18.8@36.95,38.475 36.95,38.394 36.994,38.35 v1(37.475,38.35)